# KiCad board ZSWatch-panelized.kicad_pcb (continued)
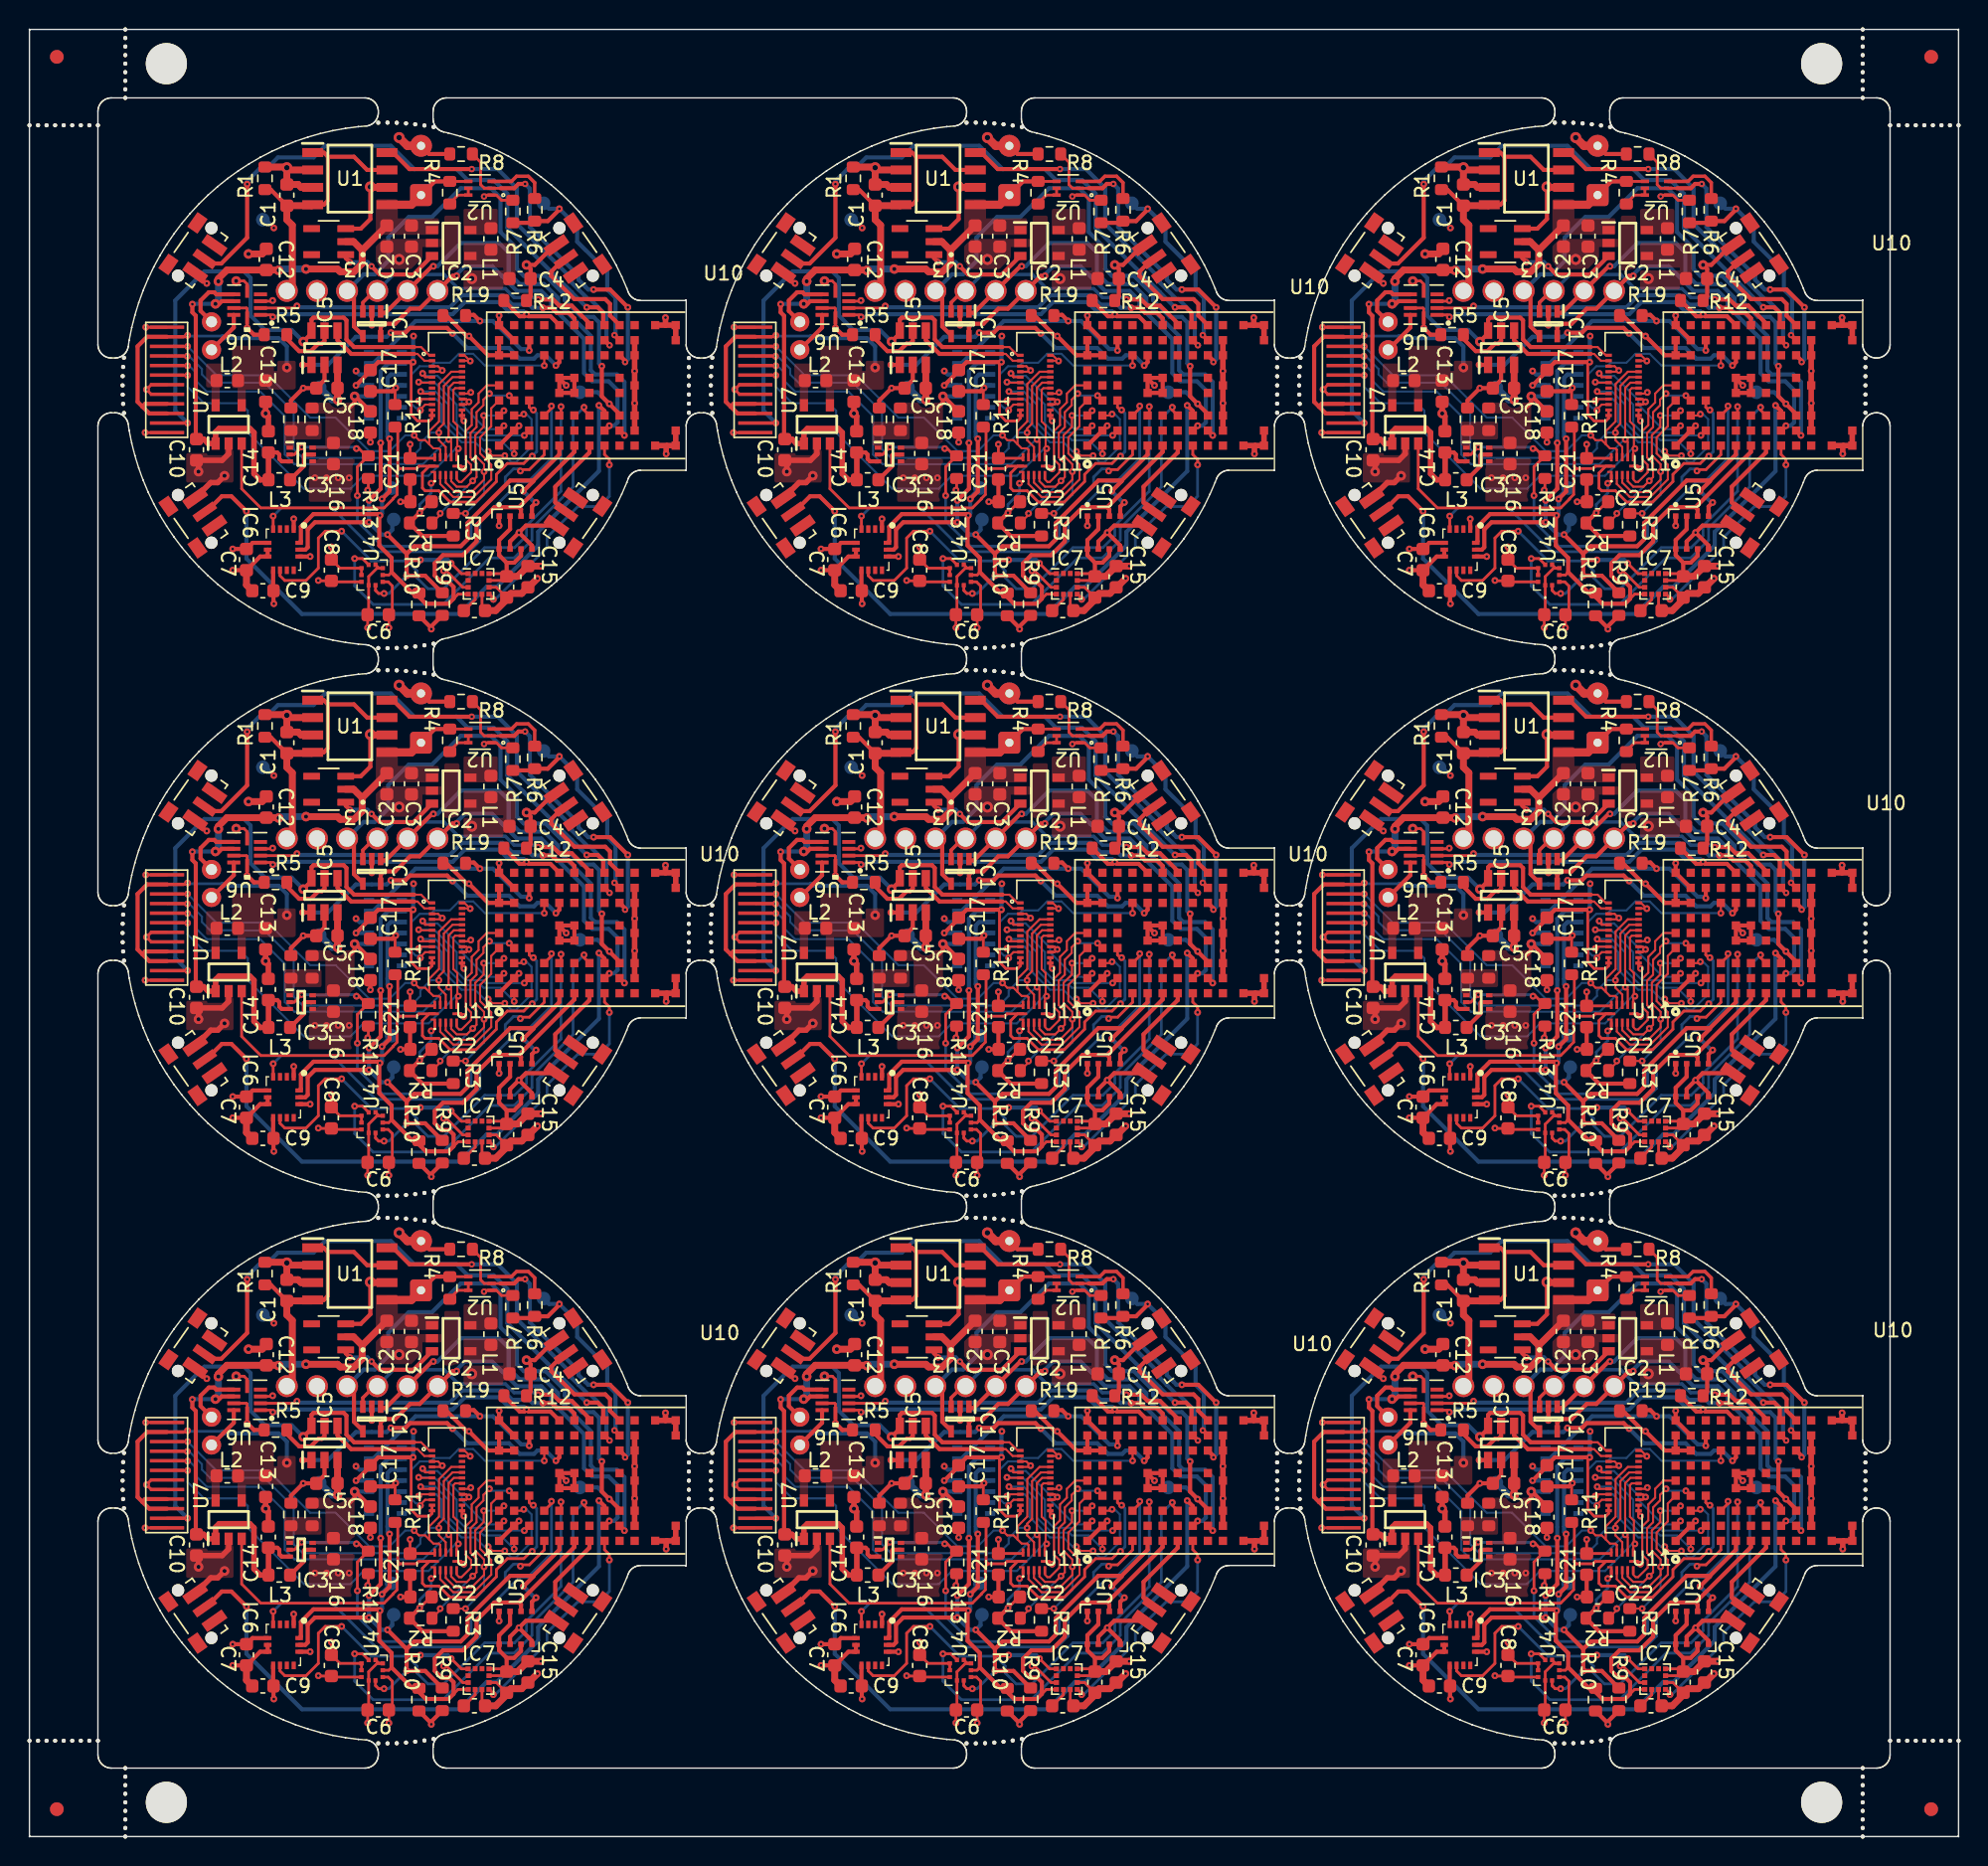
[diagram p0: board, top side]
## Library data of the parts (continued)
IC2 IC2#2-IC2#9 = -: Description: Switching Voltage Regulators Ultra Low Power PFM DCDC Converter; Height: 1.3; Manufacturer_Name: Torex; Mouser Part Number: 865-XC9265C181MR-G; Mouser Price/Stock: https://www.mouser.co.uk/ProductDetail/Torex-Semiconductor/XC9265C181MR-G?qs=AsjdqWjXhJ%252B2%252Bo3yz6t%252BQA%3D%3D
IC3 IC3#2-IC3#9 = -: Description: Switching Voltage Regulators 3-A boost converter with 0.5-V ultra-low input voltage 6-SOT-5X3 -40 to 125; Height: 0.6; Manufacturer_Name: Texas Instruments; Mouser Part Number: 595-TPS61023DRLT; Mouser Price/Stock: https://www.mouser.co.uk/ProductDetail/Texas-Instruments/TPS61023DRLT?qs=BJlw7L4Cy78Zr3IJIU3gNw%3D%3D
IC4 IC4#2-IC4#9 = -: Description: Biometric Sensors Integrated Optical Sensor; Manufacturer_Name: Maxim Integrated; Mouser Part Number: 700-MAX30101EFD+T; Mouser Price/Stock: https://www.mouser.co.uk/ProductDetail/Maxim-Integrated/MAX30101EFD%2bT?qs=sITqEBh490kEm6CNcTH1tQ%3D%3D; app note: https://pdfserv.maximintegrated.com/en/an/AN6409.pdf
IC5 IC5#2-IC5#9 = -: Description: ON Semiconductor FAN5622SX LED Driver IC, 2.7  5.5 V dc 30mA 6-Pin SOT-23; Height: 1.1; Manufacturer_Name: onsemi; Mouser Part Number: 512-FAN5622SX; Mouser Price/Stock: https://www.mouser.com/Search/Refine.aspx?Keyword=512-FAN5622SX
IC6 IC6#2-IC6#9 = -: Description: IMUs - Inertial Measurement Units Smart Ultra-Low Power Inertial Measurement Unit (IMU) for Wearable Applications; Height: 0.87; Manufacturer_Name: BOSCH; Mouser Part Number: 262-BMI270; Mouser Price/Stock: https://www.mouser.co.uk/ProductDetail/Bosch-Sensortec/BMI270?qs=u16ybLDytRYIj%252BjQEee88A%3D%3D
IC7 IC7#2-IC7#9 = -: Description: Board Mount Hall Effect / Magnetic Sensors; Manufacturer_Name: STMicroelectronics; Mouser Part Number: 511-LIS2MDLTR; Mouser Price/Stock: https://www.mouser.co.uk/ProductDetail/STMicroelectronics/LIS2MDLTR?qs=5aG0NVq1C4wS0n6b5NiBNQ%3D%3D
S1 S1#2-S1#9 S2 S2#2-S2#9 S3 S3#2-S3#9 S4 S4#2-S4#9 = -: MANUFACTURER: Alpsalpine; MAXIMUM_PACKAGE_HEIGHT: 3.3 mm; PARTREV: --; STANDARD: Manufacturer Recommendations
U1 U1#2-U1#9 = -: Buy: https://www.mouser.se/ProductDetail/Maxim-Integrated/MAX1811ESA%2b?qs=1THa7WoU59FxvQ%2FjYxmqcA%3D%3D; Option other foot: https://www.mouser.se/ProductDetail/Maxim-Integrated/MAX1811ESA%2bT?qs=LHmEVA8xxfY%252BsTY6IQXzSQ%3D%3D
U2 U2#2-U2#9 = -: Field4: *
U3 U3#2-U3#9 = -: Manufacturer: ON Semiconductor; Package: SOT95P275X110-5N
U4 U4#2-U4#9 = -: Description: Pressure Sensor 4.35PSI ~{} 18.13PSI (30kPa ~{} 125kPa) Absolute 10-WFLGA; Height: 0.8; Manufacturer_Name: BOSCH; Mouser Part Number: 262-BMP581; Mouser Price/Stock: https://www.mouser.co.uk/ProductDetail/Bosch-Sensortec/BMP581?qs=Li%252BoUPsLEntPL9tlFmcgXg%3D%3D
U5 U5#2-U5#9 = -: MANUFACTURER: BOSCH; MAXIMUM_PACKAGE_HEIGHT: 1.0 mm; PARTREV: 1.0; STANDARD: Manufacturer recommendations
U6 U6#2-U6#9 = -: motor: https://www.mouser.se/new/dfrobot/dfrobot-fit0774-mini-vibration-motor/; Field5: *
U10 U10#2-U10#9 = -: ALTIUM_VALUE: NORA-B106; BODY SIZE: 14.3 mm x 10.4 mm; HEIGHT: 1.8 mm; MANUFACTURER: u-blox; MANUFACTURER P/N: NORA-B106-00B; PART DESCRIPTION: Stand-alone Bluetooth low energy module - dual core; PART NAME: NORA-B106; PART NUMBER: NORA-B106; PART_TYPE: Module; SIM: https://content.u-blox.com/sites/default/files/NORA-B1_SIM_UBX-20027617.pdf
U11 U11#2-U11#9 = -: MANUFACTURER: Texas Instruments; MAXIMUM_PACKAGE_HEIGHT: 0.55mm; PARTREV: 4210580/C 06/12; STANDARD: Manufacturer Recommendations
U12 U12#2-U12#9 = -: Ds_opt: https://www.buydisplay.com/download/manual/ER-TFT1.28-1_Datasheet.pdf; backlight?: https://electronics.stackexchange.com/questions/594928/gc9a01-lcd-display-backlight-pwm-control

## Footprints (pads in the part's own frame, mm; a bottom-side part is the same pattern mirrored in y, then rotated)
14-LEAD-OESIP
  rect 0.75x0.35 smd: 1(-1.2,2.4) 2(-1.2,1.6) 3(-1.2,0.8) 4(-1.2,0) 5(-1.2,-0.8) 6(-1.2,-1.6) 7(-1.2,-2.4) 8(1.2,-2.4) 9(1.2,-1.6) 10(1.2,-0.8) 11(1.2,0) 12(1.2,0.8) 13(1.2,1.6) 14(1.2,2.4)
BMP581
  rect 0.325x0.3 smd: 1(-0.75,0.25) 2(-0.75,-0.25) 6(0.75,-0.25) 7(0.75,0.25)
  rect 0.3x0.325 smd: 3(-0.5,-0.775) 4(0,-0.775) 5(0.5,-0.775) 8(0.5,0.775) 9(0,0.775) 10(-0.5,0.775)
C_0603_1608Metric
  rrect 0.9x0.95 smd: 1(-0.775,0) 2(0.775,0)
DMC2400UV-7
  rect 0.605x0.255 smd: 1(-0.849,0.5) 2(-0.849,0) 3(-0.849,-0.5) 4(0.849,-0.5) 5(0.849,0) 6(0.849,0.5)
DRV2603RUNT
  rect 0.95x0.28 smd: 1(-0.975,0.75) 2(-0.975,0.25) 3(-0.975,-0.25) 4(-0.975,-0.75) 6(0.975,-0.75) 7(0.975,-0.25) 8(0.975,0.25) 9(0.975,0.75)
  rect 0.28x0.95 smd: 5(0,-0.975) 10(0,0.975)
ER-24F24-04
  rect 0.23x0.47 smd: 1(-2.2,-1.095) 2(-1.8,-1.095) 3(-1.4,-1.095) 4(-1,-1.095) 5(-0.6,-1.095) 6(-0.2,-1.095) 7(0.2,-1.095) 8(0.6,-1.095) 9(1,-1.095) 10(1.4,-1.095) 11(1.8,-1.095) 12(2.2,-1.095) 13(2.2,1.095) 14(1.8,1.095) 15(1.4,1.095) 16(1,1.095) 17(0.6,1.095) 18(0.2,1.095) 19(-0.2,1.095) 20(-0.6,1.095) 21(-1,1.095) 22(-1.4,1.095) 23(-1.8,1.095) 24(-2.2,1.095)
Fiducial
  round 1 smd: (0,0)
GC9A01_disp_smaller
  rect 0.25x2.5 smd: 1(-3.85,0.25) 2(-3.15,0.25) 3(-2.45,0.25) 4(-1.75,0.25) 5(-1.05,0.25) 6(-0.35,0.25) 7(0.35,0.25) 8(1.05,0.25) 9(1.75,0.25) 10(2.45,0.25) 11(3.15,0.25) 12(3.85,0.25)
HPA01164RUTR
  rect 0.2x0.15 smd: 1(-1,-0.425)
  rect 0.2x0.6 smd: 1(-0.8,-0.65) 2(-0.4,-0.65) 3(0,-0.65) 4(0.4,-0.65) 5(0.8,-0.65) 7(0.8,0.65) 8(0.4,0.65) 9(0,0.65) 10(-0.4,0.65) 11(-0.8,0.65)
  rect 0.6x0.2 smd: 6(0.8,0) 12(-0.8,0)
IC_BME688
  rect 0.4x0.4 smd: 1(1.2,1.2) 2(1.2,0.4) 3(1.2,-0.4) 4(1.2,-1.2) 5(-1.2,-1.2) 6(-1.2,-0.4) 7(-1.2,0.4) 8(-1.2,1.2)
L_0603_1608Metric
  rrect 0.875x0.95 smd: 1(-0.787,0) 2(0.787,0)
lis2mdl
  rrect 0.3x0.28 smd: (-0.76,0.75) (-0.76,0.25) (-0.76,-0.25) (-0.76,-0.75) (0.76,-0.75)
  rrect 0.28x0.3 smd: (-0.25,0.76) (-0.25,-0.76) (0.25,0.76) (0.25,-0.76) (0.76,0.75) (0.76,0.25) (0.76,-0.25)
  rect 0.375x0.35 smd: 1(-0.762,0.75) 2(-0.762,0.25) 3(-0.762,-0.25) 4(-0.762,-0.75) 7(0.762,-0.75) 8(0.762,-0.25) 9(0.762,0.25) 10(0.762,0.75)
  rect 0.35x0.375 smd: 5(-0.25,-0.762) 6(0.25,-0.762) 11(0.25,0.762) 12(-0.25,0.762)
NORA_LGA82R_1430X1040X180_ANT
  rect 0.6x0.6 smd: A1(-5.5,-4.4) A2(-5.5,-3.3) A3(-5.5,-2.2) A4(-5.5,-1.1) A5(-5.5,0) A6(-5.5,1.1) A7(-5.5,2.2) A8(-5.5,3.3) A9(-5.5,4.4) B1(-4.4,-4.4) B2(-4.4,-3.3) B3(-4.4,-2.2) B4(-4.4,-1.1) B5(-4.4,0) B6(-4.4,1.1) B7(-4.4,2.2) B8(-4.4,3.3) B9(-4.4,4.4) C1(-3.3,-4.4) C2(-3.3,-3.3) C4(-3.3,-1.1) C5(-3.3,0) C6(-3.3,1.1) C8(-3.3,3.3) C9(-3.3,4.4) D1(-2.2,-4.4) D2(-2.2,-3.3) D3(-2.2,-2.2) D7(-2.2,2.2) D8(-2.2,3.3) D9(-2.2,4.4) E1(-1.1,-4.4) E2(-1.1,-3.3) E3(-1.1,-2.2) E4(-1.1,-0.55) E5(-1.1,0.55) E7(-1.1,2.2) E8(-1.1,3.3) E9(-1.1,4.4) F1(0,-4.4) F2(0,-3.3) F3(0,-2.2) F4(0,-0.55) F5(0,0.55) F7(0,2.2) F8(0,3.3) F9(0,4.4) G1(1.1,-4.4) G2(1.1,-3.3) G3(1.1,-2.2) G4(1.1,-0.55) G5(1.1,0.55) G7(1.1,2.2) G8(1.1,3.3) G9(1.1,4.4) H1(2.2,-4.4) H2(2.2,-3.3) H3(2.2,-2.2) H7(2.2,2.2) H8(2.2,3.3) H9(2.2,4.4) J1(3.3,-4.4) J2(3.3,-3.3) J3(3.3,-2.2) J4(3.3,-0.55) J5(3.3,0.55) J7(3.3,2.2) J8(3.3,3.3) J9(3.3,4.4) K1(4.4,-4.4) K2(4.4,-3.3) K3(4.4,-2.2) K5(4.4,0) K7(4.4,2.2) K8(4.4,3.3) K9(4.4,4.4) L1(5.9,-4.4) L9(5.9,4.4) M1(7.4,-4.4) M2(7.4,-3.3) M8(7.4,3.3) M9(7.4,4.4)
NPTH
  round 0.3 hole 0.3 unplated: (0,0)
NPTH#2
  round 3 hole 3 unplated: (0,0)
QFN50P300X250X87-14N
  rect 0.55x0.3 smd: 1(-1.5,0.75) 2(-1.5,0.25) 3(-1.5,-0.25) 4(-1.5,-0.75) 8(1.5,-0.75) 9(1.5,-0.25) 10(1.5,0.25) 11(1.5,0.75)
  rect 0.3x0.55 smd: 5(-0.5,-1.15) 6(0,-1.15) 7(0.5,-1.15) 12(0.5,1.15) 13(0,1.15) 14(-0.5,1.15)
R_0603_1608Metric
  rrect 0.8x0.95 smd: 1(-0.825,0) 2(0.825,0)
rtlecs-6-pin
  round 1.6 hole 1.2: 1(-5.5,0) 2(-3.3,0) 3(-1.1,0) 4(1.1,0) 5(3.3,0) 6(5.5,0)
SOIC127P600X175-8N
  rect 1.525x0.65 smd: 1(-2.712,1.905) 2(-2.712,0.635) 3(-2.712,-0.635) 4(-2.712,-1.905) 5(2.712,-1.905) 6(2.712,-0.635) 7(2.712,0.635) 8(2.712,1.905)
SolderWire-0.1sqmm_1x02_P3.6mm_D0.4mm_OD1mm
  rrect 1.6x1.6 hole 0.6: 1(0,0)
  round 1.6 hole 0.6: 2(3.6,0)
SOT65P210X110-5L
  rect 0.9x0.4 smd: 1(-0.9,0.65) 2(-0.9,0) 3(-0.9,-0.65) 4(0.9,-0.65) 5(0.9,0.65)
SOT95P275X110-5N
  rrect 1.22x0.5 smd: 1(-1.245,0.95) 2(-1.245,0) 3(-1.245,-0.95) 4(1.245,-0.95) 5(1.245,0.95)
SOT95P280X110-6N
  rect 1.2x0.6 smd: 1(-1.25,0.95) 2(-1.25,0) 3(-1.25,-0.95) 4(1.25,-0.95) 5(1.25,0) 6(1.25,0.95)
SOT95P280X130-5N
  rect 0.9x0.6 smd: 1(-1.4,0.95) 2(-1.4,0) 3(-1.4,-0.95) 4(1.4,-0.95) 5(1.4,0.95)
SOTFL50P160X60-6N
  rect 0.475x0.3 smd: 1(-0.838,0.5) 2(-0.838,0) 3(-0.838,-0.5) 4(0.838,-0.5) 5(0.838,0) 6(0.838,0.5)
SW_SKRTLAE010
  round 0.9 hole 0.9 unplated: (-2.125,0) (2.125,0)
  rect 0.75x1.8 smd: 1(-1.225,0.9) 3(1.225,0.9)
  rect 0.6x1.8 smd: 2(0,0.9)
  rect 1.3x0.9 smd: S1(-1.85,-1.05) S2(1.85,-1.05)
TestPoint_2Pads_Pitch2.54mm_Drill0.8mm
  round 1.4 hole 0.8: 1(0,0) 2(2.04,0)
TestPoint_Pad_D1.0mm
  round 1 smd: 1(0,0)

## Nets
Board_0-5V_REG_EN: IC3#7.2 R13#3.1 U10#6.D1
Board_0-+1V8: C4#5.1 C6#9.1 C7#3.1 C8#5.2 C9.2 C15#3.1 C17#5.2 C19#4.2 C22.2 IC2#7.4 IC4#3.11 IC6#7.5 IC6#7.8 IC6#7.12 IC7#5.3 IC7#5.9 IC7#5.10 L1.2 R2.2 R3#8.2 R9#8.2 R10.2 R19#6.1 TP8#8.1 U4#3.1 U4#3.5 U4#3.6 U4#3.10 U5#3.2 U5#3.6 U5#3.8 U10#6.A7 U10#6.A8 U10#6.B7 U11#2.1 U13.11 U13.12
Board_0-+5V: C16.1 C18#8.1 IC3#7.6 IC4#3.9 IC4#3.10 R17.2
Board_0-/C1: C11#4.1 IC7#5.5
Board_0-/D2: R6#4.1 U2#3.3
Board_0-/G2: R4#3.2 U2#3.5 U2#3.6
Board_0-/ISET: IC5.5 R5#2.2
Board_0-/LX_3V3: L2#4.1 U7#8.5
Board_0-/LX_18: IC2#7.5 L1.1
Board_0-/MOTOR_OUT+: M1#8.1 U6#4.9
Board_0-/MOTOR_OUT-: M1#8.2 U6#4.6
Board_0-/SW: IC3#7.5 L3#7.2
Board_0-/TOUCH_HIGH_INT-DC: U11#2.10 U12#7.10 U13.21
Board_0-/TOUCH_HIGH_RST-SDA: U11#2.7 U12#7.7 U13.18
Board_0-/TOUCH_HIGH_SCL-CS: U11#2.9 U12#7.9 U13.20
Board_0-/TOUCH_HIGH_SDA-SCL: U11#2.8 U12#7.8 U13.19
Board_0-/TPS_FB: IC3#7.1 R17.1 R18#9.2
Board_0-/~{RESET_BAT_SUP}: IC2#7.3 U3#8.1
Board_0-BAT_MON: R6#4.2 R7#4.1 TP3.1 U10#6.J8
Board_0-BAT_MON_EN: R8#8.2 U2#3.2 U10#6.J7
Board_0-BMP581_INT: U4#3.7 U10#6.G3
Board_0-BTN_1: S1#2.2 U10#6.H3
Board_0-BTN_2: S2#4.2 U10#6.J9
Board_0-BTN_3: S3#9.2 U10#6.H9
Board_0-BTN_4: S4#5.2 U10#6.G1
Board_0-CHG: U1#2.8 U10#6.H8
Board_0-DISPLAY_3V3: C5#5.2 C13.1 C21.2 IC5.3 L2#4.2 TP11#7.1 U7#8.4 U11#2.11 U12#7.3 U12#7.4 U12#7.11 U13.13 U13.14 U13.17 U13.23 U13.24
Board_0-DISPLAY_BLK: IC5.1 U10#6.E7
Board_0-DISPLAY_CLK: U10#6.B1 U13.8
Board_0-DISPLAY_CS: U10#6.B3 U13.9
Board_0-DISPLAY_DATA: U10#6.C2 U13.6
Board_0-DISPLAY_DC: U10#6.A2 U13.5
Board_0-DISPLAY_EN: R11#9.1 U7#8.3 U10#6.C4 U11#2.12
Board_0-DISPLAY_RST: U10#6.D7 U13.10
Board_0-DRV_VIB_EN: R12#2.1 U6#4.1 U10#6.E9
Board_0-DRV_VIB_PWM: U6#4.2 U10#6.F9
Board_0-GND: BT1#7.2 C1#6.2 C2#4.1 C3.2 C4#5.2 C5#5.1 C6#9.2 C7#3.2 C8#5.1 C9.1 C10#5.2 C11#4.2 C12#3.1 C13.2 C14#4.2 C15#3.2 C16.2 C17#5.1 C18#8.2 C19#4.1 C21.1 C22.1 IC1#5.2 IC2#7.2 IC3#7.4 IC4#3.4 IC4#3.12 IC5.2 IC6#7.1 IC6#7.6 IC6#7.7 IC7#5.6 IC7#5.8 J2#9.5 R1#8.2 R5#2.1 R7#4.2 R8#8.1 R11#9.2 R12#2.2 R13#3.2 R18#9.1 S1#2.1 S2#4.3 S3#9.3 S4#5.1 U1#2.2 U1#2.3 U1#2.6 U2#3.1 U3#8.3 U4#3.3 U4#3.8 U4#3.9 U5#3.1 U5#3.5 U5#3.7 U6#4.3 U6#4.5 U6#4.8 U6#4.10 U7#8.2 U10#6.A1 U10#6.A9 U10#6.B2 U10#6.B8 U10#6.E4 U10#6.E5 U10#6.F4 U10#6.F5 U10#6.K2 U10#6.K3 U10#6.K5 U10#6.K7 U10#6.K8 U10#6.L1 U10#6.L9 U10#6.M1 U10#6.M2 U10#6.M8 U10#6.M9 U11#2.6 U12#7.1 U12#7.5 U12#7.6 U12#7.12 U13.3 U13.4 U13.15 U13.16
Board_0-INT1_LIS: IC6#7.4 U10#6.D3
Board_0-INT2_LIS: IC6#7.9 U10#6.E3
Board_0-LEDK1: IC5.6 U12#7.2 U13.1
Board_0-LEDK2: IC5.4 U13.2
Board_0-LIS2MDL_INT: IC7#5.7 U10#6.H1
Board_0-MAX30_INT: IC4#3.13 R19#6.2 U10#6.C8
Board_0-RESET_N: IC1#5.4 J2#9.4 TP12.1 U10#6.J3
Board_0-SCL_ANNA: IC4#3.2 IC6#7.13 IC7#5.1 R9#8.1 TP9#5.1 U4#3.2 U5#3.4 U10#6.E1
Board_0-SDA_ANNA: IC4#3.3 IC6#7.14 IC7#5.4 R10.1 TP10.1 U4#3.4 U5#3.3 U10#6.F1
Board_0-SWDCLK: IC1#5.1 J2#9.2 U10#6.J2
Board_0-SWDIO: IC1#5.5 J2#9.1 U10#6.H2
Board_0-TOUCH_INT: U10#6.A4 U11#2.2
Board_0-TOUCH_RST: U10#6.A5 U11#2.5
Board_0-TOUCH_SCL: R3#8.1 U10#6.A3 U11#2.3
Board_0-TOUCH_SDA: R2.1 U10#6.B4 U11#2.4
Board_0-UART_TX: IC1#5.3 J2#9.3 U10#6.G9
Board_0-unconnected-(IC4-Pad1): IC4#3.1
Board_0-unconnected-(IC4-Pad5): IC4#3.5
Board_0-unconnected-(IC4-Pad6): IC4#3.6
Board_0-unconnected-(IC4-Pad7): IC4#3.7
Board_0-unconnected-(IC4-Pad8): IC4#3.8
Board_0-unconnected-(IC4-Pad14): IC4#3.14
Board_0-unconnected-(IC6-Pad2): IC6#7.2
Board_0-unconnected-(IC6-Pad3): IC6#7.3
Board_0-unconnected-(IC6-Pad10): IC6#7.10
Board_0-unconnected-(IC6-Pad11): IC6#7.11
Board_0-unconnected-(IC7-Pad2): IC7#5.2
Board_0-unconnected-(IC7-Pad11): IC7#5.11
Board_0-unconnected-(IC7-Pad12): IC7#5.12
Board_0-unconnected-(S1-Pad3): S1#2.3
Board_0-unconnected-(S1-PadS1): S1#2.S1
Board_0-unconnected-(S1-PadS2): S1#2.S2
Board_0-unconnected-(S2-Pad1): S2#4.1
Board_0-unconnected-(S2-PadS1): S2#4.S1
Board_0-unconnected-(S2-PadS2): S2#4.S2
Board_0-unconnected-(S3-Pad1): S3#9.1
Board_0-unconnected-(S3-PadS1): S3#9.S1
Board_0-unconnected-(S3-PadS2): S3#9.S2
Board_0-unconnected-(S4-Pad3): S4#5.3
Board_0-unconnected-(S4-PadS1): S4#5.S1
Board_0-unconnected-(S4-PadS2): S4#5.S2
Board_0-unconnected-(U3-Pad4): U3#8.4
Board_0-unconnected-(U3-Pad5): U3#8.5
Board_0-unconnected-(U6-Pad4): U6#4.4
Board_0-unconnected-(U10-PadA6): U10#6.A6
Board_0-unconnected-(U10-PadB5): U10#6.B5
Board_0-unconnected-(U10-PadB6): U10#6.B6
Board_0-unconnected-(U10-PadB9): U10#6.B9
Board_0-unconnected-(U10-PadC1): U10#6.C1
Board_0-unconnected-(U10-PadC5): U10#6.C5
Board_0-unconnected-(U10-PadC6): U10#6.C6
Board_0-unconnected-(U10-PadC9): U10#6.C9
Board_0-unconnected-(U10-PadD2): U10#6.D2
Board_0-unconnected-(U10-PadD8): U10#6.D8
Board_0-unconnected-(U10-PadD9): U10#6.D9
Board_0-unconnected-(U10-PadE2): U10#6.E2
Board_0-unconnected-(U10-PadE8): U10#6.E8
Board_0-unconnected-(U10-PadF2): U10#6.F2
Board_0-unconnected-(U10-PadF3): U10#6.F3
Board_0-unconnected-(U10-PadF7): U10#6.F7
Board_0-unconnected-(U10-PadF8): U10#6.F8
Board_0-unconnected-(U10-PadG2): U10#6.G2
Board_0-unconnected-(U10-PadG4): U10#6.G4
Board_0-unconnected-(U10-PadG5): U10#6.G5
Board_0-unconnected-(U10-PadG7): U10#6.G7
Board_0-unconnected-(U10-PadG8): U10#6.G8
Board_0-unconnected-(U10-PadH7): U10#6.H7
Board_0-unconnected-(U10-PadJ1): U10#6.J1
Board_0-unconnected-(U10-PadJ4): U10#6.J4
Board_0-unconnected-(U10-PadJ5): U10#6.J5
Board_0-unconnected-(U10-PadK1): U10#6.K1
Board_0-unconnected-(U10-PadK9): U10#6.K9
Board_0-unconnected-(U13-Pad7): U13.7
Board_0-unconnected-(U13-Pad22): U13.22
Board_0-V_BAT: BT1#7.1 C2#4.2 C3.1 C10#5.1 C12#3.2 C14#4.1 IC2#7.1 IC3#7.3 L3#7.1 R4#3.1 U1#2.5 U2#3.4 U3#8.2 U6#4.7 U7#8.1
Board_0-VBUS: C1#6.1 J2#9.6 R1#8.1 U1#2.1 U1#2.4 U1#2.7
Board_1-5V_REG_EN: IC3.2 R13#9.1 U10#2.D1
Board_1-+1V8: C4#8.1 C6#5.1 C7#4.1 C8#3.2 C9#2.2 C15#2.1 C17#2.2 C19#2.2 C22#6.2 IC2#3.4 IC4#6.11 IC6#8.5 IC6#8.8 IC6#8.12 IC7#4.3 IC7#4.9 IC7#4.10 L1#6.2 R2#8.2 R3#3.2 R9#9.2 R10#9.2 R19#2.1 TP8#6.1 U4#5.1 U4#5.5 U4#5.6 U4#5.10 U5#8.2 U5#8.6 U5#8.8 U10#2.A7 U10#2.A8 U10#2.B7 U11#5.1 U13#2.11 U13#2.12
Board_1-+5V: C16#7.1 C18#2.1 IC3.6 IC4#6.9 IC4#6.10 R17#4.2
Board_1-/C1: C11#9.1 IC7#4.5
Board_1-/D2: R6#9.1 U2#6.3
Board_1-/G2: R4.2 U2#6.5 U2#6.6
Board_1-/ISET: IC5#3.5 R5#5.2
Board_1-/LX_3V3: L2#7.1 U7#2.5
Board_1-/LX_18: IC2#3.5 L1#6.1
Board_1-/MOTOR_OUT+: M1#5.1 U6#7.9
Board_1-/MOTOR_OUT-: M1#5.2 U6#7.6
Board_1-/SW: IC3.5 L3#4.2
Board_1-/TOUCH_HIGH_INT-DC: U11#5.10 U12#2.10 U13#2.21
Board_1-/TOUCH_HIGH_RST-SDA: U11#5.7 U12#2.7 U13#2.18
Board_1-/TOUCH_HIGH_SCL-CS: U11#5.9 U12#2.9 U13#2.20
Board_1-/TOUCH_HIGH_SDA-SCL: U11#5.8 U12#2.8 U13#2.19
Board_1-/TPS_FB: IC3.1 R17#4.1 R18#5.2
Board_1-/~{RESET_BAT_SUP}: IC2#3.3 U3#4.1
Board_1-BAT_MON: R6#9.2 R7#8.1 TP3#2.1 U10#2.J8
Board_1-BAT_MON_EN: R8#9.2 U2#6.2 U10#2.J7
Board_1-BMP581_INT: U4#5.7 U10#2.G3
Board_1-BTN_1: S1#6.2 U10#2.H3
Board_1-BTN_2: S2#9.2 U10#2.J9
Board_1-BTN_3: S3#8.2 U10#2.H9
Board_1-BTN_4: S4#7.2 U10#2.G1
Board_1-CHG: U1#5.8 U10#2.H8
Board_1-DISPLAY_3V3: C5#2.2 C13#2.1 C21#6.2 IC5#3.3 L2#7.2 TP11#9.1 U7#2.4 U11#5.11 U12#2.3 U12#2.4 U12#2.11 U13#2.13 U13#2.14 U13#2.17 U13#2.23 U13#2.24
Board_1-DISPLAY_BLK: IC5#3.1 U10#2.E7
Board_1-DISPLAY_CLK: U10#2.B1 U13#2.8
Board_1-DISPLAY_CS: U10#2.B3 U13#2.9
Board_1-DISPLAY_DATA: U10#2.C2 U13#2.6
Board_1-DISPLAY_DC: U10#2.A2 U13#2.5
Board_1-DISPLAY_EN: R11#8.1 U7#2.3 U10#2.C4 U11#5.12
Board_1-DISPLAY_RST: U10#2.D7 U13#2.10
Board_1-DRV_VIB_EN: R12#9.1 U6#7.1 U10#2.E9
Board_1-DRV_VIB_PWM: U6#7.2 U10#2.F9
Board_1-GND: BT1#2.2 C1#5.2 C2#3.1 C3#6.2 C4#8.2 C5#2.1 C6#5.2 C7#4.2 C8#3.1 C9#2.1 C10#7.2 C11#9.2 C12.1 C13#2.2 C14#9.2 C15#2.2 C16#7.2 C17#2.1 C18#2.2 C19#2.1 C21#6.1 C22#6.1 IC1#6.2 IC2#3.2 IC3.4 IC4#6.4 IC4#6.12 IC5#3.2 IC6#8.1 IC6#8.6 IC6#8.7 IC7#4.6 IC7#4.8 J2#6.5 R1#9.2 R5#5.1 R7#8.2 R8#9.1 R11#8.2 R12#9.2 R13#9.2 R18#5.1 S1#6.1 S2#9.3 S3#8.3 S4#7.1 U1#5.2 U1#5.3 U1#5.6 U2#6.1 U3#4.3 U4#5.3 U4#5.8 U4#5.9 U5#8.1 U5#8.5 U5#8.7 U6#7.3 U6#7.5 U6#7.8 U6#7.10 U7#2.2 U10#2.A1 U10#2.A9 U10#2.B2 U10#2.B8 U10#2.E4 U10#2.E5 U10#2.F4 U10#2.F5 U10#2.K2 U10#2.K3 U10#2.K5 U10#2.K7 U10#2.K8 U10#2.L1 U10#2.L9 U10#2.M1 U10#2.M2 U10#2.M8 U10#2.M9 U11#5.6 U12#2.1 U12#2.5 U12#2.6 U12#2.12 U13#2.3 U13#2.4 U13#2.15 U13#2.16
Board_1-INT1_LIS: IC6#8.4 U10#2.D3
Board_1-INT2_LIS: IC6#8.9 U10#2.E3
Board_1-LEDK1: IC5#3.6 U12#2.2 U13#2.1
Board_1-LEDK2: IC5#3.4 U13#2.2
Board_1-LIS2MDL_INT: IC7#4.7 U10#2.H1
Board_1-MAX30_INT: IC4#6.13 R19#2.2 U10#2.C8
Board_1-RESET_N: IC1#6.4 J2#6.4 TP12#8.1 U10#2.J3
Board_1-SCL_ANNA: IC4#6.2 IC6#8.13 IC7#4.1 R9#9.1 TP9#7.1 U4#5.2 U5#8.4 U10#2.E1
Board_1-SDA_ANNA: IC4#6.3 IC6#8.14 IC7#4.4 R10#9.1 TP10#4.1 U4#5.4 U5#8.3 U10#2.F1
Board_1-SWDCLK: IC1#6.1 J2#6.2 U10#2.J2
Board_1-SWDIO: IC1#6.5 J2#6.1 U10#2.H2
Board_1-TOUCH_INT: U10#2.A4 U11#5.2
Board_1-TOUCH_RST: U10#2.A5 U11#5.5
Board_1-TOUCH_SCL: R3#3.1 U10#2.A3 U11#5.3
Board_1-TOUCH_SDA: R2#8.1 U10#2.B4 U11#5.4
Board_1-UART_TX: IC1#6.3 J2#6.3 U10#2.G9
Board_1-unconnected-(IC4-Pad1): IC4#6.1
Board_1-unconnected-(IC4-Pad5): IC4#6.5
Board_1-unconnected-(IC4-Pad6): IC4#6.6
Board_1-unconnected-(IC4-Pad7): IC4#6.7
Board_1-unconnected-(IC4-Pad8): IC4#6.8
Board_1-unconnected-(IC4-Pad14): IC4#6.14
Board_1-unconnected-(IC6-Pad2): IC6#8.2
Board_1-unconnected-(IC6-Pad3): IC6#8.3
Board_1-unconnected-(IC6-Pad10): IC6#8.10
Board_1-unconnected-(IC6-Pad11): IC6#8.11
Board_1-unconnected-(IC7-Pad2): IC7#4.2
Board_1-unconnected-(IC7-Pad11): IC7#4.11
Board_1-unconnected-(IC7-Pad12): IC7#4.12
Board_1-unconnected-(S1-Pad3): S1#6.3
Board_1-unconnected-(S1-PadS1): S1#6.S1
Board_1-unconnected-(S1-PadS2): S1#6.S2
Board_1-unconnected-(S2-Pad1): S2#9.1
Board_1-unconnected-(S2-PadS1): S2#9.S1
Board_1-unconnected-(S2-PadS2): S2#9.S2
Board_1-unconnected-(S3-Pad1): S3#8.1
Board_1-unconnected-(S3-PadS1): S3#8.S1
Board_1-unconnected-(S3-PadS2): S3#8.S2
Board_1-unconnected-(S4-Pad3): S4#7.3
Board_1-unconnected-(S4-PadS1): S4#7.S1
Board_1-unconnected-(S4-PadS2): S4#7.S2
Board_1-unconnected-(U3-Pad4): U3#4.4
Board_1-unconnected-(U3-Pad5): U3#4.5
Board_1-unconnected-(U6-Pad4): U6#7.4
Board_1-unconnected-(U10-PadA6): U10#2.A6
Board_1-unconnected-(U10-PadB5): U10#2.B5
Board_1-unconnected-(U10-PadB6): U10#2.B6
Board_1-unconnected-(U10-PadB9): U10#2.B9
Board_1-unconnected-(U10-PadC1): U10#2.C1
Board_1-unconnected-(U10-PadC5): U10#2.C5
Board_1-unconnected-(U10-PadC6): U10#2.C6
Board_1-unconnected-(U10-PadC9): U10#2.C9
Board_1-unconnected-(U10-PadD2): U10#2.D2
Board_1-unconnected-(U10-PadD8): U10#2.D8
Board_1-unconnected-(U10-PadD9): U10#2.D9
Board_1-unconnected-(U10-PadE2): U10#2.E2
Board_1-unconnected-(U10-PadE8): U10#2.E8
Board_1-unconnected-(U10-PadF2): U10#2.F2
Board_1-unconnected-(U10-PadF3): U10#2.F3
Board_1-unconnected-(U10-PadF7): U10#2.F7
Board_1-unconnected-(U10-PadF8): U10#2.F8
Board_1-unconnected-(U10-PadG2): U10#2.G2
Board_1-unconnected-(U10-PadG4): U10#2.G4
Board_1-unconnected-(U10-PadG5): U10#2.G5
Board_1-unconnected-(U10-PadG7): U10#2.G7
Board_1-unconnected-(U10-PadG8): U10#2.G8
Board_1-unconnected-(U10-PadH7): U10#2.H7
Board_1-unconnected-(U10-PadJ1): U10#2.J1
Board_1-unconnected-(U10-PadJ4): U10#2.J4
Board_1-unconnected-(U10-PadJ5): U10#2.J5
Board_1-unconnected-(U10-PadK1): U10#2.K1
Board_1-unconnected-(U10-PadK9): U10#2.K9
Board_1-unconnected-(U13-Pad7): U13#2.7
Board_1-unconnected-(U13-Pad22): U13#2.22
Board_1-V_BAT: BT1#2.1 C2#3.2 C3#6.1 C10#7.1 C12.2 C14#9.1 IC2#3.1 IC3.3 L3#4.1 R4.1 U1#5.5 U2#6.4 U3#4.2 U6#7.7 U7#2.1
Board_1-VBUS: C1#5.1 J2#6.6 R1#9.1 U1#5.1 U1#5.4 U1#5.7
Board_2-5V_REG_EN: IC3#3.2 R13#6.1 U10#4.D1
Board_2-+1V8: C4#3.1 C6#8.1 C7#9.1 C8.2 C9#5.2 C15#8.1 C17#4.2 C19#6.2 C22#5.2 IC2#2.4 IC4#4.11 IC6#4.5 IC6#4.8 IC6#4.12 IC7#7.3 IC7#7.9 IC7#7.10 L1#8.2 R2#9.2 R3.2 R9#7.2 R10#3.2 R19#7.1 TP8#2.1 U4#8.1 U4#8.5 U4#8.6 U4#8.10 U5#7.2 U5#7.6 U5#7.8 U10#4.A7 U10#4.A8 U10#4.B7 U11#7.1 U13#3.11 U13#3.12
Board_2-+5V: C16#5.1 C18#9.1 IC3#3.6 IC4#4.9 IC4#4.10 R17#6.2
Board_2-/C1: C11#3.1 IC7#7.5
Board_2-/D2: R6#5.1 U2#9.3
Board_2-/G2: R4#5.2 U2#9.5 U2#9.6
Board_2-/ISET: IC5#8.5 R5#9.2
Board_2-/LX_3V3: L2#2.1 U7#3.5
Board_2-/LX_18: IC2#2.5 L1#8.1
Board_2-/MOTOR_OUT+: M1#6.1 U6.9
Board_2-/MOTOR_OUT-: M1#6.2 U6.6
Board_2-/SW: IC3#3.5 L3.2
Board_2-/TOUCH_HIGH_INT-DC: U11#7.10 U12#4.10 U13#3.21
Board_2-/TOUCH_HIGH_RST-SDA: U11#7.7 U12#4.7 U13#3.18
Board_2-/TOUCH_HIGH_SCL-CS: U11#7.9 U12#4.9 U13#3.20
Board_2-/TOUCH_HIGH_SDA-SCL: U11#7.8 U12#4.8 U13#3.19
Board_2-/TPS_FB: IC3#3.1 R17#6.1 R18#6.2
Board_2-/~{RESET_BAT_SUP}: IC2#2.3 U3#3.1
Board_2-BAT_MON: R6#5.2 R7#7.1 TP3#9.1 U10#4.J8
Board_2-BAT_MON_EN: R8#2.2 U2#9.2 U10#4.J7
Board_2-BMP581_INT: U4#8.7 U10#4.G3
Board_2-BTN_1: S1#5.2 U10#4.H3
Board_2-BTN_2: S2#7.2 U10#4.J9
Board_2-BTN_3: S3#3.2 U10#4.H9
Board_2-BTN_4: S4#9.2 U10#4.G1
Board_2-CHG: U1#9.8 U10#4.H8
Board_2-DISPLAY_3V3: C5#8.2 C13#3.1 C21#8.2 IC5#8.3 L2#2.2 TP11#4.1 U7#3.4 U11#7.11 U12#4.3 U12#4.4 U12#4.11 U13#3.13 U13#3.14 U13#3.17 U13#3.23 U13#3.24
Board_2-DISPLAY_BLK: IC5#8.1 U10#4.E7
Board_2-DISPLAY_CLK: U10#4.B1 U13#3.8
Board_2-DISPLAY_CS: U10#4.B3 U13#3.9
Board_2-DISPLAY_DATA: U10#4.C2 U13#3.6
Board_2-DISPLAY_DC: U10#4.A2 U13#3.5
Board_2-DISPLAY_EN: R11#4.1 U7#3.3 U10#4.C4 U11#7.12
Board_2-DISPLAY_RST: U10#4.D7 U13#3.10
Board_2-DRV_VIB_EN: R12#7.1 U6.1 U10#4.E9
Board_2-DRV_VIB_PWM: U6.2 U10#4.F9
Board_2-GND: BT1#4.2 C1#4.2 C2#2.1 C3#4.2 C4#3.2 C5#8.1 C6#8.2 C7#9.2 C8.1 C9#5.1 C10#3.2 C11#3.2 C12#6.1 C13#3.2 C14#7.2 C15#8.2 C16#5.2 C17#4.1 C18#9.2 C19#6.1 C21#8.1 C22#5.1 IC1#8.2 IC2#2.2 IC3#3.4 IC4#4.4 IC4#4.12 IC5#8.2 IC6#4.1 IC6#4.6 IC6#4.7 IC7#7.6 IC7#7.8 J2#3.5 R1#6.2 R5#9.1 R7#7.2 R8#2.1 R11#4.2 R12#7.2 R13#6.2 R18#6.1 S1#5.1 S2#7.3 S3#3.3 S4#9.1 U1#9.2 U1#9.3 U1#9.6 U2#9.1 U3#3.3 U4#8.3 U4#8.8 U4#8.9 U5#7.1 U5#7.5 U5#7.7 U6.3 U6.5 U6.8 U6.10 U7#3.2 U10#4.A1 U10#4.A9 U10#4.B2 U10#4.B8 U10#4.E4 U10#4.E5 U10#4.F4 U10#4.F5 U10#4.K2 U10#4.K3 U10#4.K5 U10#4.K7 U10#4.K8 U10#4.L1 U10#4.L9 U10#4.M1 U10#4.M2 U10#4.M8 U10#4.M9 U11#7.6 U12#4.1 U12#4.5 U12#4.6 U12#4.12 U13#3.3 U13#3.4 U13#3.15 U13#3.16
Board_2-INT1_LIS: IC6#4.4 U10#4.D3
Board_2-INT2_LIS: IC6#4.9 U10#4.E3
Board_2-LEDK1: IC5#8.6 U12#4.2 U13#3.1
Board_2-LEDK2: IC5#8.4 U13#3.2
Board_2-LIS2MDL_INT: IC7#7.7 U10#4.H1
Board_2-MAX30_INT: IC4#4.13 R19#7.2 U10#4.C8
Board_2-RESET_N: IC1#8.4 J2#3.4 TP12#6.1 U10#4.J3
Board_2-SCL_ANNA: IC4#4.2 IC6#4.13 IC7#7.1 R9#7.1 TP9#3.1 U4#8.2 U5#7.4 U10#4.E1
Board_2-SDA_ANNA: IC4#4.3 IC6#4.14 IC7#7.4 R10#3.1 TP10#3.1 U4#8.4 U5#7.3 U10#4.F1
Board_2-SWDCLK: IC1#8.1 J2#3.2 U10#4.J2
Board_2-SWDIO: IC1#8.5 J2#3.1 U10#4.H2
Board_2-TOUCH_INT: U10#4.A4 U11#7.2
Board_2-TOUCH_RST: U10#4.A5 U11#7.5
Board_2-TOUCH_SCL: R3.1 U10#4.A3 U11#7.3
Board_2-TOUCH_SDA: R2#9.1 U10#4.B4 U11#7.4
Board_2-UART_TX: IC1#8.3 J2#3.3 U10#4.G9
Board_2-unconnected-(IC4-Pad1): IC4#4.1
Board_2-unconnected-(IC4-Pad5): IC4#4.5
Board_2-unconnected-(IC4-Pad6): IC4#4.6
Board_2-unconnected-(IC4-Pad7): IC4#4.7
Board_2-unconnected-(IC4-Pad8): IC4#4.8
Board_2-unconnected-(IC4-Pad14): IC4#4.14
Board_2-unconnected-(IC6-Pad2): IC6#4.2
Board_2-unconnected-(IC6-Pad3): IC6#4.3
Board_2-unconnected-(IC6-Pad10): IC6#4.10
Board_2-unconnected-(IC6-Pad11): IC6#4.11
Board_2-unconnected-(IC7-Pad2): IC7#7.2
Board_2-unconnected-(IC7-Pad11): IC7#7.11
Board_2-unconnected-(IC7-Pad12): IC7#7.12
Board_2-unconnected-(S1-Pad3): S1#5.3
Board_2-unconnected-(S1-PadS1): S1#5.S1
Board_2-unconnected-(S1-PadS2): S1#5.S2
Board_2-unconnected-(S2-Pad1): S2#7.1
Board_2-unconnected-(S2-PadS1): S2#7.S1
Board_2-unconnected-(S2-PadS2): S2#7.S2
Board_2-unconnected-(S3-Pad1): S3#3.1
Board_2-unconnected-(S3-PadS1): S3#3.S1
Board_2-unconnected-(S3-PadS2): S3#3.S2
Board_2-unconnected-(S4-Pad3): S4#9.3
Board_2-unconnected-(S4-PadS1): S4#9.S1
Board_2-unconnected-(S4-PadS2): S4#9.S2
Board_2-unconnected-(U3-Pad4): U3#3.4
Board_2-unconnected-(U3-Pad5): U3#3.5
Board_2-unconnected-(U6-Pad4): U6.4
Board_2-unconnected-(U10-PadA6): U10#4.A6
Board_2-unconnected-(U10-PadB5): U10#4.B5
Board_2-unconnected-(U10-PadB6): U10#4.B6
Board_2-unconnected-(U10-PadB9): U10#4.B9
Board_2-unconnected-(U10-PadC1): U10#4.C1
Board_2-unconnected-(U10-PadC5): U10#4.C5
Board_2-unconnected-(U10-PadC6): U10#4.C6
Board_2-unconnected-(U10-PadC9): U10#4.C9
Board_2-unconnected-(U10-PadD2): U10#4.D2
Board_2-unconnected-(U10-PadD8): U10#4.D8
Board_2-unconnected-(U10-PadD9): U10#4.D9